# KiCad board DFTBoard.kicad_pcb (continued)
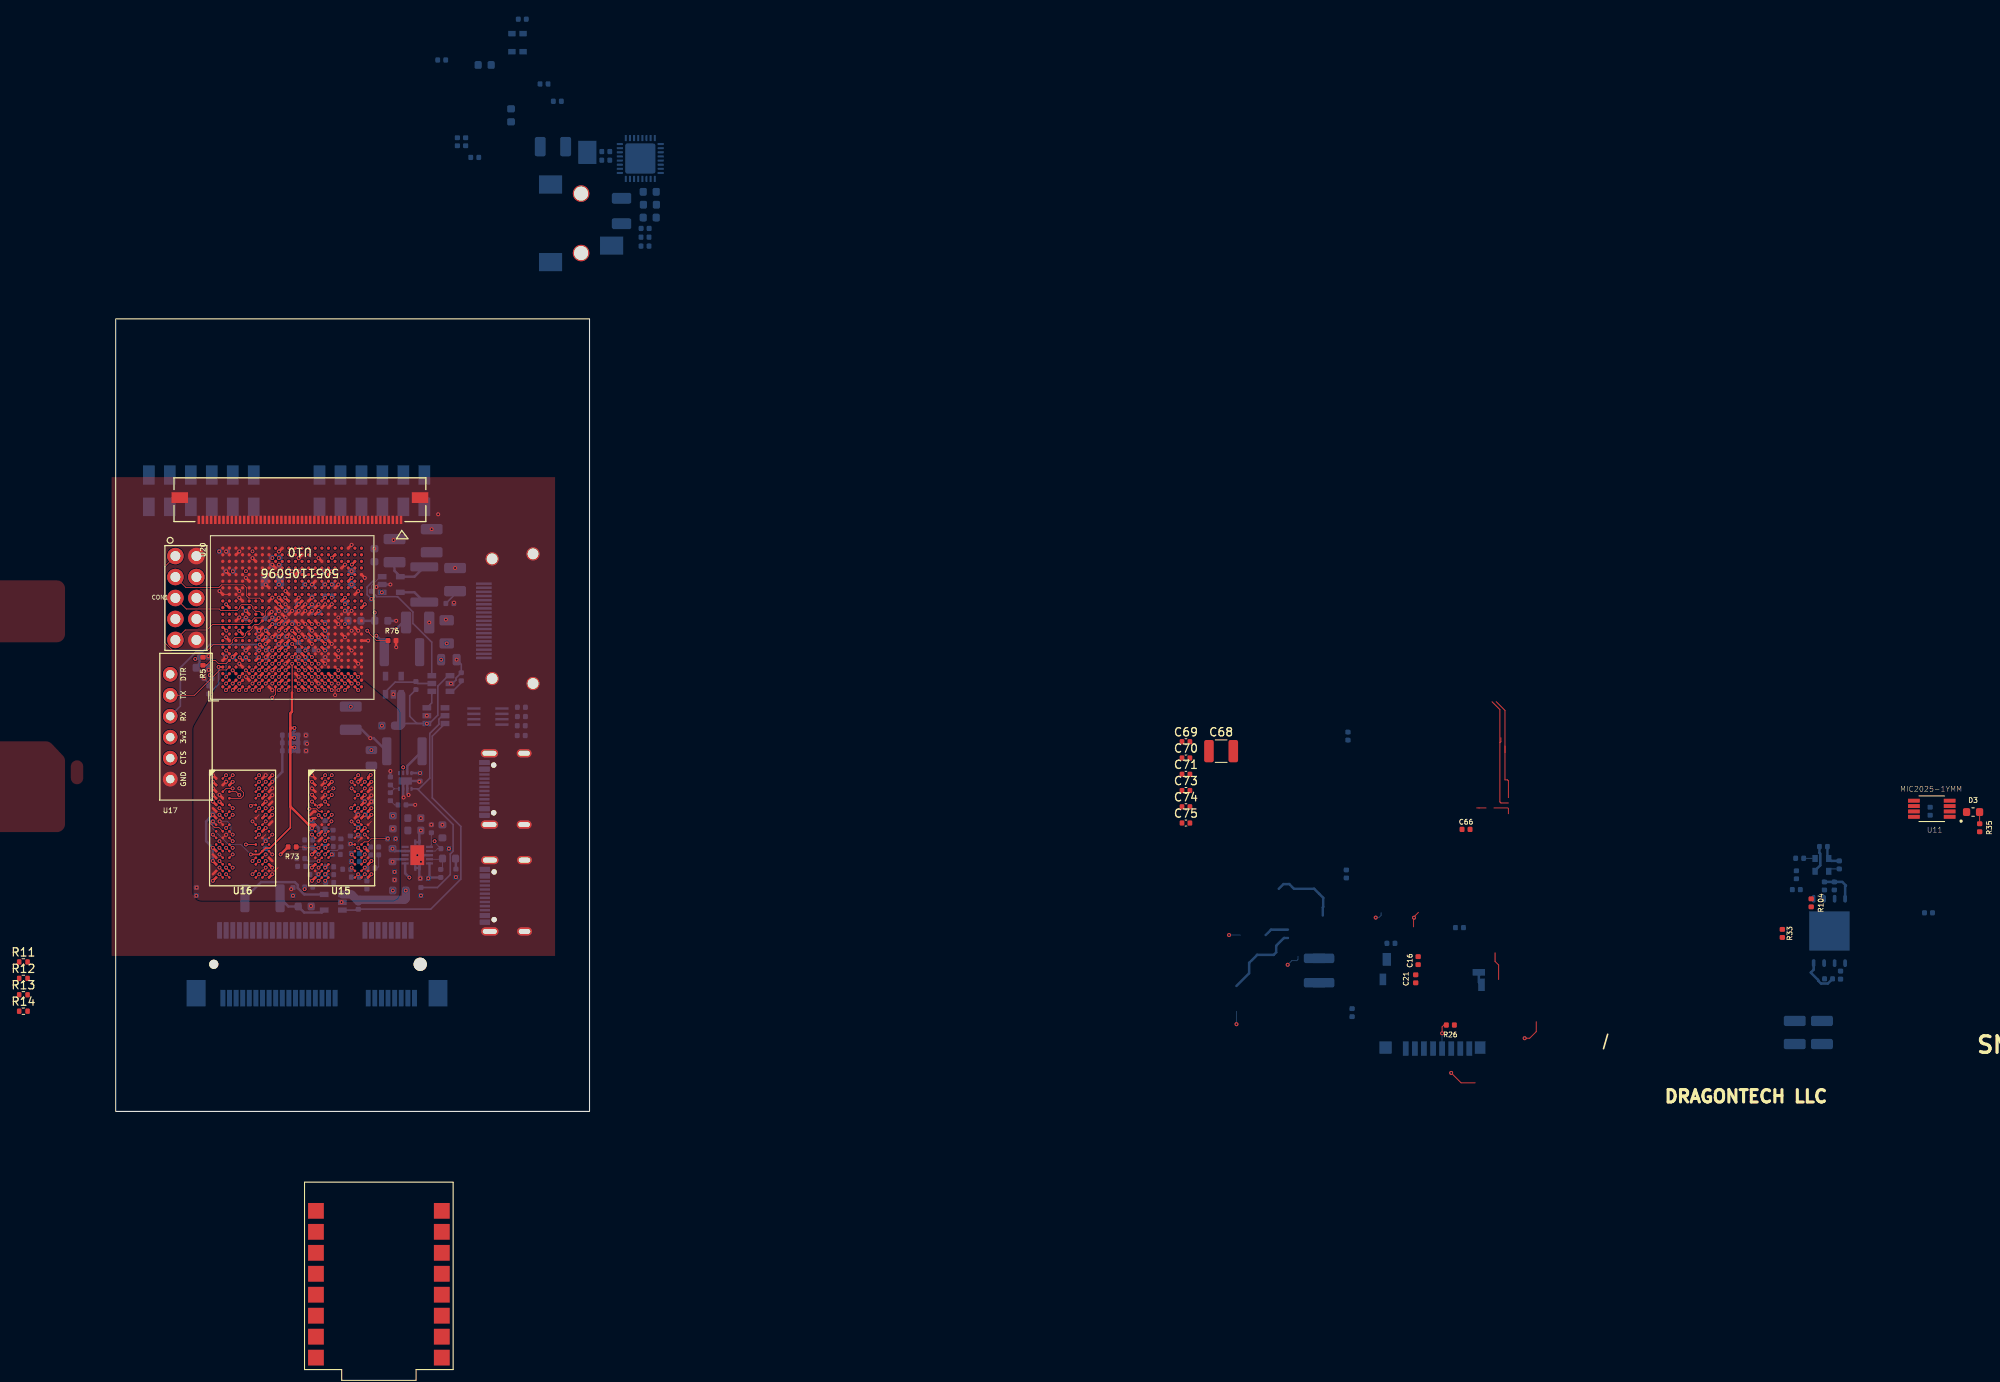
[diagram p0: board, top side]
## Routing (per net, layer and track width the routed paths; a pad name or vN(x,y) marks a point on that pad's centre or on a via; arc(x,y) is an arc through that point) (continued)
DDR3_CKE: length 39.2
  TOP w0.102: U16.K9 v1(18.97,33.53) ; U15.K9 v1(30.17,33.53)
  TOP w0.13: U20.V3 v1(26.97,52.63)
  Signal1 w0.102: v1(30.17,33.53) 29.77,33.13 28.97,33.13 28.17,33.93 22.77,33.93 22.37,33.53 21.87,33.53 21.82,33.53 21.78,33.55 21.74,33.57 21.71,33.6 21.69,33.64 21.67,33.68 21.66,33.77 21.65,33.81 21.62,33.85 21.59,33.88 21.55,33.91 21.51,33.92 21.47,33.93 21.47,33.93 21.42,33.92 21.38,33.91 21.34,33.88 21.31,33.85 21.29,33.81 21.27,33.77 21.27,33.73 21.27,33.53 21.27,33.53 21.27,33.33 21.26,33.28 21.25,33.24 21.22,33.2 21.19,33.17 21.15,33.15 21.11,33.13 21.07,33.13 21.07,33.13 21.02,33.13 20.98,33.15 20.94,33.17 20.91,33.2 20.89,33.24 20.87,33.28 20.86,33.37 20.85,33.41 20.82,33.45 20.79,33.48 20.75,33.51 20.71,33.52 20.67,33.53 v1(18.97,33.53)
  Signal3 w0.102: v1(18.97,33.53) 18.57,33.93 18.57,40.9 18.84,41.18 19.27,41.18 25.08,46.99 25.1,47.01 25.13,47.02 25.16,47.03 25.19,47.03 25.22,47.02 25.25,47.01 25.28,46.99 25.36,46.9 25.39,46.88 25.42,46.87 25.45,46.86 25.48,46.86 25.51,46.87 25.54,46.88 25.56,46.9 25.65,46.99 25.67,47.01 25.68,47.04 25.69,47.07 25.69,47.1 25.68,47.13 25.67,47.16 25.65,47.19 25.28,47.56 25.26,47.58 25.24,47.61 25.24,47.64 25.24,47.67 25.24,47.7 25.26,47.73 25.28,47.75 25.36,47.84 25.38,47.86 25.41,47.87 25.44,47.88 25.48,47.88 25.51,47.87 25.53,47.86 25.56,47.84 25.64,47.75 25.67,47.73 25.7,47.72 25.73,47.71 25.76,47.71 25.79,47.72 25.82,47.73 25.84,47.75 26.63,48.54 26.66,48.54 27.36,49.25 27.36,52.22 27.37,52.23 v1(26.97,52.63)
DDR3_CS#: length 48.3
  TOP w0.102: U16.L2 v1(12.57,32.73) ; R73.1 22.8,32.03 22.91,31.92 v1(24.56,31.92) 24.56,31.92 U15.L2
  TOP w0.13: U20.P6 v1(23.77,55.03)
  Signal2 w0.102: v1(12.57,32.73) U16.L2 14.87,32.33 15.27,31.93 18.39,31.93 18.79,32.33 19.67,32.33 19.92,32.08 20.91,32.08 20.94,32.08 20.96,32.09 20.99,32.11 21.01,32.13 21.03,32.15 21.03,32.18 21.04,32.24 21.05,32.26 21.07,32.29 21.09,32.31 21.11,32.32 21.14,32.33 21.17,32.34 21.31,32.34 21.34,32.33 21.36,32.32 21.39,32.31 21.41,32.29 21.43,32.26 21.43,32.24 21.44,32.18 21.45,32.15 21.47,32.13 21.49,32.11 21.51,32.09 21.54,32.08 21.57,32.08 22.99,32.08 23.16,31.92 v1(24.56,31.92)
  Signal3 w0.102: v1(12.57,32.73) 12.23,32.73 12.12,32.62 11.21,32.62 10.84,33 10.84,34.9 11.47,35.53 11.97,35.53 12.17,35.73 12.17,41.23 18.83,47.89 18.91,47.97 18.93,48 18.94,48.02 18.95,48.05 18.95,48.09 18.94,48.12 18.93,48.15 18.91,48.17 18.84,48.24 18.82,48.26 18.81,48.29 18.8,48.32 18.8,48.35 18.81,48.39 18.82,48.41 18.84,48.44 18.93,48.52 18.95,48.54 18.98,48.56 19.01,48.56 19.04,48.56 19.07,48.56 19.1,48.54 19.12,48.52 19.19,48.45 19.22,48.43 19.25,48.42 19.28,48.41 19.31,48.41 19.34,48.42 19.37,48.43 19.39,48.45 21.77,50.83 21.77,53.63 21.97,53.83 23.17,53.83 23.37,54.03 23.37,54.63 v1(23.77,55.03)
DDR3_DM0: length 30.9
  TOP w0.102: U16.E7 16.49,37.13 v1(16.37,37.01)
  TOP w0.13: v1(13.35,51.02) 13.36,51.02 U20.B1
  Signal2 w0.102: v1(16.37,37.01) 16.37,35.53 16.07,35.23 16.07,34.58 15.77,34.28 14.27,34.28 13.97,34.58 13.97,34.73 14.09,34.85 14.99,34.85 15.22,35.08 15.22,36.93 15.02,37.12 14.66,37.12 14.36,37.42 13.72,37.42 13.54,37.61 13.54,38.11 13.29,38.36 13.29,38.5 12.74,39.05 12.45,39.05 12.16,39.33 12.16,42.5 12.75,43.09 12.75,46.37 12.74,46.39 12.74,47.1 15.36,49.72 15.36,52.01 15.15,52.23 13.99,52.23 13.77,52.01 13.77,51.64 13.35,51.22 v1(13.35,51.02)
DDR3_DM1: length 20.6
  TOP w0.102: U16.D3 15.17,37.93 15.47,38.23 15.47,38.63 v1(14.97,39.13)
  TOP w0.13: U20.H3 v1(18.17,52.63)
  Signal2 w0.102: v1(14.97,39.13) 14.97,40.83 16.45,42.31 16.48,42.33 16.52,42.35 16.57,42.36 16.61,42.36 16.65,42.35 16.69,42.33 16.73,42.31 17.03,42 17.07,41.97 17.11,41.96 17.15,41.95 17.2,41.95 17.24,41.96 17.28,41.97 17.32,42 17.35,42.04 17.36,42.08 17.37,42.12 17.37,42.17 17.36,42.21 17.35,42.25 17.32,42.29 16.93,42.68 16.93,42.97 17.06,43.1 17.24,43.1 17.33,43.19 17.33,48.19 17.77,48.63 17.77,52.01 17.98,52.22 18.47,52.22 18.57,52.32 18.57,52.56 18.51,52.63 v1(18.17,52.63)
DDR3_DM2: length 21.6
  TOP w0.102: U15.E7 v1(28.52,36.73)
  TOP w0.13: U20.P1 v1(23.77,51.03)
  Signal1 w0.102: v1(23.77,51.03) 23.77,50.53 23.37,50.13 23.37,47.93 23.37,47.9 23.36,47.87 23.34,47.85 23.32,47.83 23.3,47.81 23.27,47.8 23.23,47.79 23.2,47.79 23.16,47.79 23.13,47.78 23.11,47.76 23.09,47.74 23.07,47.72 23.06,47.69 23.06,47.65 23.06,47.53 23.06,47.5 23.07,47.47 23.09,47.45 23.11,47.43 23.13,47.41 23.16,47.4 23.2,47.39 23.55,47.39 23.58,47.39 23.61,47.38 23.64,47.36 23.66,47.34 23.68,47.32 23.69,47.29 23.69,47.25 23.69,47.13 23.69,47.1 23.68,47.07 23.66,47.05 23.64,47.03 23.61,47.01 23.58,47 23.58,43 23.37,42.79 23.37,37.27 23.57,37.08 23.67,37.08 24.42,36.33 28.12,36.33 v1(28.52,36.73)
DDR3_DM3: length 21.9
  TOP w0.102: U15.D3 26.27,38.33
  TOP w0.13: U20.AA2 v1(29.37,51.83)
  Signal3 w0.102: v1(26.17,38.33) 28.07,40.23 28.07,44.33 28.07,44.35 28.08,44.37 28.09,44.39 28.11,44.41 28.12,44.42 28.15,44.42 28.17,44.43 28.75,44.43 28.77,44.43 28.79,44.44 28.81,44.45 28.83,44.47 28.84,44.48 28.85,44.51 28.85,44.53 28.85,44.73 28.85,44.75 28.84,44.77 28.83,44.79 28.81,44.81 28.79,44.82 28.77,44.82 28.75,44.83 27.39,44.83 27.36,44.83 27.34,44.84 27.32,44.85 27.31,44.87 27.3,44.88 27.29,44.91 27.29,44.93 27.29,45.13 27.29,45.15 27.3,45.17 27.31,45.19 27.32,45.21 27.34,45.22 27.36,45.22 27.39,45.23 28.75,45.23 28.77,45.23 28.79,45.24 28.81,45.25 28.83,45.27 28.84,45.28 28.85,45.31 28.85,45.33 28.85,45.53 28.85,45.55 28.84,45.57 28.83,45.59 28.81,45.61 28.79,45.62 28.77,45.62 28.75,45.63 27.39,45.63 27.36,45.63 27.34,45.64 27.32,45.65 27.31,45.67 27.3,45.68 27.29,45.71 27.29,45.73 27.29,45.93 27.29,45.95 27.3,45.97 27.31,45.99 27.32,46.01 27.34,46.02 27.36,46.02 27.39,46.03 27.97,46.03 27.99,46.03 28.01,46.04 28.03,46.05 28.05,46.07 28.06,46.08 28.06,46.11 28.07,46.13 28.07,50.53 v1(29.37,51.83)
DDR3_DQ0: length 30.5
  TOP w0.102: U16.E3 v1(14.17,36.73) ; U20.C3 v1(14.17,53.43)
  Signal2 w0.102: v1(14.17,36.73) 14.66,36.23 14.66,35.84 14.36,35.53 13.57,35.53 13.44,35.4 13.42,35.4 12.76,34.73 12.39,34.73 11.99,34.33 9.97,34.33 9.37,34.93 9.37,40.5 9.37,40.53 9.38,40.56 9.39,40.58 9.41,40.6 9.44,40.62 9.46,40.63 9.52,40.63 9.55,40.64 9.57,40.66 9.59,40.68 9.61,40.7 9.61,40.73 9.62,40.75 9.62,41.1 9.61,41.13 9.61,41.16 9.59,41.18 9.57,41.2 9.55,41.22 9.52,41.23 9.49,41.23 9.22,41.23 9.18,41.23 9.15,41.24 9.12,41.26 9.1,41.29 9.08,41.31 9.07,41.35 9.07,41.38 9.07,41.68 9.07,41.71 9.08,41.74 9.1,41.77 9.12,41.8 9.15,41.81 9.18,41.83 9.25,41.83 9.28,41.84 9.31,41.86 9.33,41.89 9.35,41.91 9.36,41.95 9.37,41.98 9.37,49.38 12.02,52.03 12.7,52.03 12.97,52.3 12.97,52.96 13.04,53.03 13.77,53.03 v1(14.17,53.43)
DDR3_DQ1: length 32
  TOP w0.102: U16.F7 v1(17.37,36.73)
  TOP w0.13: U20.F2 v1(16.57,51.83)
  Signal2 w0.102: v1(17.37,36.73) 17.52,36.58 17.69,36.58 17.74,36.63 17.74,36.98 17.53,37.19 17.36,37.19 16.57,37.98 15.92,37.98 15.57,37.63 14.73,37.63 14.12,38.25 14.09,38.25 14.09,38.63 13.75,38.96 13.75,38.96 13.75,39.34 13.57,39.53 13.2,39.53 12.68,40.04 12.68,41.29 13.43,42.04 13.45,42.06 13.48,42.07 13.5,42.07 13.53,42.07 13.56,42.07 13.58,42.06 13.63,42.02 13.65,42.01 13.68,42 13.7,42 13.73,42.01 13.76,42.02 13.78,42.04 13.89,42.15 13.9,42.17 13.92,42.19 13.92,42.22 13.92,42.25 13.92,42.27 13.9,42.3 13.89,42.32 13.65,42.56 13.63,42.58 13.62,42.61 13.61,42.64 13.61,42.67 13.62,42.7 13.63,42.73 13.65,42.75 13.74,42.84 13.76,42.86 13.79,42.87 13.82,42.88 13.85,42.88 13.88,42.87 13.91,42.86 13.94,42.84 14.17,42.6 14.19,42.59 14.22,42.58 14.24,42.57 14.27,42.57 14.3,42.58 14.32,42.59 14.34,42.6 14.45,42.71 14.47,42.73 14.48,42.76 14.49,42.79 14.49,42.81 14.48,42.84 14.47,42.87 14.45,42.89 13.79,43.55 13.77,43.57 13.76,43.6 13.75,43.63 13.75,43.66 13.76,43.69 13.77,43.72 13.79,43.74 13.88,43.83 13.9,43.85 13.93,43.86 13.96,43.87 13.99,43.87 14.02,43.86 14.05,43.85 14.08,43.83 14.55,43.36 14.57,43.34 14.6,43.32 14.63,43.32 14.66,43.32 14.69,43.32 14.72,43.34 14.75,43.36 14.75,44.21 14.74,44.24 14.73,44.27 14.71,44.3 14.69,44.32 14.66,44.34 14.63,44.35 14.6,44.36 14.45,44.36 14.42,44.36 14.39,44.37 14.36,44.39 14.34,44.41 14.32,44.44 14.31,44.47 14.3,44.51 14.31,44.54 14.32,44.57 14.34,44.6 14.36,44.62 14.39,44.64 14.42,44.65 14.45,44.66 14.6,44.66 14.63,44.66 14.66,44.67 14.69,44.69 14.71,44.71 14.73,44.74 14.74,44.77 14.75,44.81 14.75,48.11 16.16,49.52 16.16,51.53 15.37,52.33 15.37,52.33 15.37,52.82 15.59,53.03 15.95,53.03 16.16,53.24 16.16,53.61 16.37,53.82 16.74,53.82 16.97,53.59 16.97,53.33 16.95,53.31 16.95,53.23 16.74,53.03 16.39,53.03 16.17,52.82 16.17,52.44 16.38,52.23 16.5,52.23 16.57,52.17 v1(16.57,51.83)
DDR3_DQ2: length 30.4
  TOP w0.102: U20.B2 v1(13.37,51.83) ; U16.F2 v1(12.57,36.73)
  Signal2 w0.102: v1(13.37,51.83) 12.99,51.45 12.98,51.44 12.96,51.43 12.94,51.43 12.93,51.43 12.91,51.43 12.89,51.44 12.86,51.46 12.85,51.47 12.83,51.48 12.81,51.48 12.79,51.47 12.78,51.46 12.76,51.45 12.59,51.28 12.58,51.27 12.58,51.25 12.57,51.24 12.57,51.22 12.58,51.2 12.58,51.18 12.59,51.17 12.65,51.11 12.64,51.1 13.22,50.52 13.24,50.49 13.25,50.46 13.26,50.43 13.26,50.4 13.25,50.37 13.24,50.34 13.22,50.32 13.14,50.23 13.11,50.22 13.08,50.2 13.05,50.19 13.02,50.19 12.99,50.2 12.96,50.22 12.94,50.23 12.3,50.87 12.28,50.88 12.27,50.89 12.25,50.9 12.23,50.9 12.21,50.89 12.2,50.88 12.18,50.87 12.02,50.71 12,50.69 12,50.67 11.99,50.66 11.99,50.64 12,50.62 12,50.6 12.03,50.58 12.04,50.56 12.04,50.54 12.04,50.52 12.04,50.51 12.03,50.49 12.02,50.48 11.64,50.1 11.64,50.05 10.4,48.81 10.4,41.54 10.4,41.51 10.39,41.48 10.37,41.45 10.35,41.43 10.33,41.41 10.3,41.4 10.26,41.4 10.24,41.4 10.21,41.4 10.18,41.39 10.16,41.37 10.14,41.35 10.12,41.32 10.11,41.29 10.1,41.26 10.1,41.14 10.11,41.11 10.12,41.08 10.14,41.05 10.16,41.03 10.18,41.01 10.21,41 10.24,41 10.45,41 10.47,41 10.48,41 10.49,40.99 10.49,40.98 10.5,40.97 10.5,40.96 10.5,40.95 10.5,40.65 10.5,40.64 10.5,40.63 10.49,40.62 10.49,40.61 10.48,40.61 10.47,40.6 10.45,40.6 10.24,40.6 10.21,40.6 10.18,40.59 10.16,40.57 10.14,40.55 10.12,40.52 10.11,40.49 10.1,40.46 10.1,40.34 10.11,40.31 10.12,40.28 10.14,40.25 10.16,40.23 10.18,40.21 10.21,40.2 10.24,40.2 10.45,40.2 10.47,40.2 10.48,40.2 10.49,40.19 10.49,40.18 10.5,40.17 10.5,40.16 10.5,40.15 10.5,39.85 10.5,39.84 10.5,39.83 10.49,39.82 10.49,39.81 10.48,39.81 10.47,39.8 10.45,39.8 10.24,39.8 10.21,39.8 10.18,39.79 10.16,39.77 10.14,39.75 10.12,39.72 10.11,39.69 10.1,39.66 10.1,39.54 10.11,39.51 10.12,39.48 10.14,39.45 10.16,39.43 10.18,39.41 10.21,39.4 10.24,39.4 10.45,39.4 10.47,39.4 10.48,39.4 10.49,39.39 10.49,39.38 10.5,39.37 10.5,39.36 10.5,39.35 10.5,39.05 10.5,39.04 10.5,39.03 10.49,39.02 10.49,39.01 10.48,39.01 10.47,39 10.45,39 10.24,39 10.21,39 10.18,38.99 10.16,38.97 10.14,38.95 10.12,38.92 10.11,38.89 10.1,38.86 10.1,38.74 10.11,38.71 10.12,38.68 10.14,38.65 10.16,38.63 10.18,38.61 10.21,38.6 10.24,38.6 10.45,38.6 10.47,38.6 10.48,38.6 10.49,38.59 10.49,38.58 10.5,38.57 10.5,38.56 10.5,38.55 10.5,38.25 10.5,38.24 10.5,38.23 10.49,38.22 10.49,38.21 10.48,38.21 10.47,38.2 10.45,38.2 10.24,38.2 10.21,38.2 10.18,38.19 10.16,38.17 10.14,38.15 10.12,38.12 10.11,38.09 10.1,38.06 10.1,37.94 10.11,37.91 10.12,37.88 10.14,37.85 10.16,37.83 10.18,37.81 10.21,37.8 10.24,37.8 10.45,37.8 10.47,37.8 10.48,37.8 10.49,37.79 10.49,37.78 10.5,37.77 10.5,37.76 10.5,37.75 10.5,37.45 10.5,37.44 10.5,37.43 10.49,37.42 10.49,37.41 10.48,37.41 10.47,37.4 10.45,37.4 10.24,37.4 10.21,37.4 10.18,37.39 10.16,37.37 10.14,37.35 10.12,37.32 10.11,37.29 10.1,37.26 10.1,37.14 10.11,37.11 10.12,37.08 10.14,37.05 10.16,37.03 10.18,37.01 10.21,37 10.24,37 10.56,37 10.6,37 10.63,36.99 10.65,36.97 10.67,36.95 10.69,36.92 10.7,36.89 10.7,36.86 10.7,36.74 10.7,36.71 10.69,36.68 10.67,36.65 10.65,36.63 10.63,36.61 10.6,36.6 10.56,36.6 10.54,36.6 10.51,36.6 10.48,36.59 10.46,36.57 10.44,36.55 10.42,36.52 10.41,36.49 10.4,36.46 10.4,35.29 10.64,35.05 10.79,35.05 10.97,35.23 10.97,36.68 11.14,36.85 11.22,36.85 11.27,36.8 11.27,36.58 11.52,36.33 12.87,36.33 12.97,36.43 12.97,36.64 12.88,36.73 v1(12.57,36.73)
DDR3_DQ3: length 32.1
  TOP w0.102: U16.F8 v1(18.17,36.73)
  TOP w0.13: U20.F1 v1(16.57,51.03)
  Signal2 w0.102: v1(16.57,51.03) 16.57,49.33 15.24,48 15.24,43.15 13.39,41.3 13.14,41.3 12.97,41.13 12.97,40.54 13.19,40.33 14.42,40.33 14.57,40.18 14.57,38.78 14.52,38.73 14.52,38.13 14.72,37.93 15.26,37.93 15.76,38.43 16.67,38.43 17.15,37.94 17.15,37.93 17.93,37.16 18.01,37.16 18.05,37.12 19.58,37.12 19.59,37.13 21.42,37.13 21.62,36.93 21.62,35.78 20.37,34.53 18.77,34.53 18.57,34.73 18.57,36.33 v1(18.17,36.73)
DDR3_DQ4: length 30.1
  TOP w0.102: U16.H3 v1(13.37,34.33)
  TOP w0.13: U20.E3 v1(15.77,53.43)
  Signal2 w0.102: v1(15.77,53.43) 15.37,53.83 15.36,53.82 13.18,53.82 12.96,53.6 12.96,53.24 12.74,53.02 12.16,53.02 10.67,51.53 10.62,51.53 8.82,49.73 8.82,34.93 9.82,33.93 12.97,33.93 v1(13.37,34.33)
DDR3_DQ5: length 31.1
  TOP w0.102: U16.H8 v1(18.17,35.13)
  TOP w0.13: U20.E1 v1(15.77,51.03)
  Signal2 w0.102: v1(18.17,35.13) 17.77,35.53 17.77,36.13 17.57,36.33 17.17,36.33 16.97,36.53 16.97,36.98 16.52,37.43 16.17,37.43 15.97,37.23 15.97,35.63 15.87,35.53 15.62,35.53 15.57,35.58 15.57,37.18 15.32,37.43 14.64,37.43 14.33,37.74 14,37.74 13.88,37.86 13.88,38.19 13.41,38.67 13.41,39.09 13.33,39.17 12.91,39.17 12.43,39.64 12.43,41.89 13.54,43 13.54,44.97 13.55,45 13.56,45.03 13.57,45.06 13.6,45.08 13.62,45.1 13.65,45.11 13.68,45.11 14.32,45.11 14.35,45.12 14.38,45.13 14.41,45.14 14.43,45.17 14.45,45.19 14.46,45.22 14.46,45.25 14.46,45.37 14.46,45.4 14.45,45.43 14.43,45.46 14.41,45.48 14.38,45.5 14.35,45.51 14.32,45.51 13.21,45.51 13.18,45.52 13.15,45.53 13.13,45.54 13.1,45.57 13.09,45.59 13.08,45.62 13.07,45.65 13.07,45.77 13.08,45.8 13.09,45.83 13.1,45.86 13.13,45.88 13.15,45.9 13.18,45.91 13.21,45.91 14.32,45.91 14.35,45.92 14.38,45.93 14.41,45.94 14.43,45.97 14.45,45.99 14.46,46.02 14.46,46.05 14.46,46.17 14.46,46.2 14.45,46.23 14.43,46.26 14.41,46.28 14.38,46.3 14.35,46.31 14.32,46.31 13.21,46.31 13.18,46.32 13.15,46.33 13.13,46.34 13.1,46.37 13.09,46.39 13.08,46.42 13.07,46.45 13.07,46.57 13.08,46.6 13.09,46.63 13.1,46.66 13.13,46.68 13.15,46.7 13.18,46.71 13.21,46.71 13.7,46.71 14.02,47.03 14.02,47.83 14.94,48.75 14.95,48.75 15.77,49.57 v1(15.77,51.03)
DDR3_DQ6: length 32
  TOP w0.102: U16.G2 v1(12.57,35.93)
  TOP w0.13: U20.D3 v1(14.97,52.63)
  Signal2 w0.102: v1(14.97,52.63) 14.97,52.73 15.37,53.13 15.37,53.33 15.12,53.58 14.72,53.58 14.57,53.43 14.57,52.68 14.32,52.43 13.9,52.43 13.69,52.22 13.18,52.22 12,51.04 11.95,51.04 9.83,48.92 9.83,46.22 9.87,46.18 9.87,46.08 9.86,46.06 9.86,46.03 9.85,46.02 9.83,46 9.81,45.99 9.79,45.98 9.77,45.98 9.73,45.98 9.71,45.97 9.68,45.97 9.67,45.96 9.65,45.94 9.64,45.92 9.63,45.9 9.63,45.88 9.63,45.68 9.63,45.66 9.64,45.63 9.65,45.62 9.67,45.6 9.68,45.59 9.71,45.58 9.73,45.58 10.06,45.58 10.08,45.57 10.1,45.57 10.12,45.56 10.14,45.54 10.15,45.52 10.16,45.5 10.16,45.48 10.16,45.28 10.16,45.26 10.15,45.23 10.14,45.22 10.12,45.2 10.1,45.19 10.08,45.18 10.06,45.18 9.73,45.18 9.71,45.17 9.68,45.17 9.67,45.16 9.65,45.14 9.64,45.12 9.63,45.1 9.63,45.08 9.63,44.88 9.63,44.86 9.64,44.83 9.65,44.82 9.67,44.8 9.68,44.79 9.71,44.78 9.73,44.78 10.06,44.78 10.08,44.77 10.1,44.77 10.12,44.76 10.14,44.74 10.15,44.72 10.16,44.7 10.16,44.68 10.16,44.48 10.16,44.46 10.15,44.43 10.14,44.42 10.12,44.4 10.1,44.39 10.08,44.38 10.06,44.38 9.73,44.38 9.71,44.37 9.68,44.37 9.67,44.36 9.65,44.34 9.64,44.32 9.63,44.3 9.63,44.28 9.63,44.08 9.63,44.06 9.64,44.03 9.65,44.02 9.67,44 9.68,43.99 9.71,43.98 9.73,43.98 10.06,43.98 10.08,43.97 10.1,43.97 10.12,43.96 10.14,43.94 10.15,43.92 10.16,43.9 10.16,43.88 10.16,43.68 10.16,43.66 10.15,43.63 10.14,43.62 10.12,43.6 10.1,43.59 10.08,43.58 10.06,43.58 9.73,43.58 9.71,43.57 9.68,43.57 9.67,43.56 9.65,43.54 9.64,43.52 9.63,43.5 9.63,43.48 9.63,43.28 9.63,43.26 9.64,43.23 9.65,43.22 9.67,43.2 9.68,43.19 9.71,43.18 9.73,43.18 10.06,43.18 10.08,43.17 10.1,43.17 10.12,43.16 10.14,43.14 10.15,43.12 10.16,43.1 10.16,43.08 10.16,42.88 10.16,42.86 10.15,42.83 10.14,42.82 10.12,42.8 10.1,42.79 10.08,42.78 10.06,42.78 9.73,42.78 9.71,42.77 9.68,42.77 9.67,42.76 9.65,42.74 9.64,42.72 9.63,42.7 9.63,42.68 9.63,42.48 9.63,42.46 9.64,42.43 9.65,42.42 9.67,42.4 9.68,42.39 9.71,42.38 9.73,42.38 10.06,42.38 10.08,42.37 10.1,42.37 10.12,42.36 10.14,42.34 10.15,42.32 10.16,42.3 10.16,42.28 10.16,42.08 10.16,42.06 10.15,42.03 10.14,42.02 10.12,42 10.1,41.99 10.08,41.98 10.06,41.98 9.97,41.98 9.95,41.97 9.92,41.97 9.91,41.96 9.89,41.94 9.88,41.92 9.87,41.9 9.87,41.88 9.87,34.83 9.97,34.73 11.32,34.73 11.37,34.78 11.37,35.31 11.59,35.53 12.17,35.53 v1(12.57,35.93)
DDR3_DQ7: length 30.9
  TOP w0.102: U16.H7 v1(16.57,35.13)
  TOP w0.13: v1(14.97,51.03) 14.97,51.03 U20.D1
  Signal2 w0.102: v1(16.57,35.13) 16.57,35.38 16.67,35.48 16.67,36.13 16.72,36.18 16.87,36.18 16.97,36.08 16.97,35.73 17.22,35.48 17.37,35.48 17.57,35.28 17.57,34.93 17.42,34.78 17.17,34.78 16.97,34.58 16.97,34.23 16.67,33.93 14.02,33.93 13.77,34.18 13.77,34.51 13.45,34.83 13.45,35.02 13.61,35.18 14.67,35.18 14.87,35.38 14.87,36.63 14.32,37.18 13.52,37.18 13.26,37.43 13.26,37.97 12.99,38.25 12.99,38.5 12.76,38.73 11.56,38.73 11.33,38.97 11.33,40.86 11.93,41.47 11.93,43.44 11.97,43.48 11.97,47.08 14.96,50.07 14.97,50.07 v1(14.97,51.03)
DDR3_DQ8: length 19.9
  TOP w0.102: U16.D7 v1(17.37,38.33)
  TOP w0.13: U20.L3 v1(20.57,52.63)
  Signal2 w0.102: v1(17.37,38.33) 17.77,37.93 18.77,37.93 18.78,37.92 20.78,37.92 21.28,38.42 21.28,51.92 v1(20.57,52.63)
DDR3_DQ9: length 18.9
  TOP w0.102: U16.C3 14.57,38.73 v1(14.97,38.33)
  TOP w0.13: U20.L1 v1(20.57,51.03)
  Signal2 w0.102: v1(14.97,38.33) 15.36,38.72 17.54,38.72 17.76,38.94 17.76,39.32 17.96,39.52 19.14,39.52 20.3,40.68 20.3,50.19 20.57,50.45 v1(20.57,51.03)
DDR3_DQ10: length 19.4
  TOP w0.102: U16.C8 v1(18.17,39.13)
  TOP w0.13: U20.L2 v1(20.57,51.83)
  Signal2 w0.102: v1(18.17,39.13) 18.56,38.73 19.42,38.73 19.93,38.23 20.42,38.23 20.78,38.59 20.78,39.04 20.77,39.08 20.76,39.13 20.74,39.16 20.7,39.2 20.67,39.22 20.62,39.23 20.58,39.24 20,39.24 19.95,39.25 19.91,39.26 19.87,39.28 19.84,39.32 19.82,39.35 19.8,39.4 19.8,39.44 19.8,39.48 19.82,39.53 19.84,39.56 19.87,39.6 19.91,39.62 19.95,39.63 20,39.64 20.58,39.64 20.62,39.65 20.67,39.66 20.7,39.68 20.74,39.72 20.76,39.75 20.77,39.8 20.78,39.84 20.78,49.94 20.97,50.13 20.97,51.43 v1(20.57,51.83)
DDR3_DQ11: length 23.2
  TOP w0.102: U16.C2 13.37,39.13 v1(14.17,39.13) ; U20.J1 19.37,50.53 v1(18.97,50.13)
  Signal1 w0.102: v1(18.97,50.13) 18.97,49.23 18.87,49.13 18.84,49.1 18.8,49.08 18.76,49.07 18.72,49.07 18.68,49.08 18.64,49.1 18.58,49.15 18.54,49.17 18.5,49.18 18.46,49.18 18.42,49.17 18.38,49.15 18.35,49.13 18.32,49.1 18.3,49.07 18.28,49.04 18.27,49 18.27,48.95 18.28,48.91 18.3,48.88 18.32,48.84 18.45,48.71 18.44,48.7 18.52,48.63 18.54,48.61 18.55,48.59 18.55,48.56 18.55,48.54 18.55,48.51 18.54,48.49 18.52,48.47 18.39,48.34 18.37,48.33 18.35,48.32 18.33,48.31 18.3,48.31 18.28,48.32 18.26,48.33 18.24,48.34 18.03,48.55 18,48.58 17.96,48.59 17.92,48.6 17.88,48.6 17.84,48.59 17.8,48.58 17.77,48.55 17.75,48.53 17.72,48.5 17.7,48.46 17.69,48.42 17.69,48.38 17.7,48.34 17.72,48.3 17.75,48.27 17.95,48.06 17.97,48.04 17.98,48.02 17.99,48 17.99,47.97 17.98,47.95 17.97,47.93 17.95,47.91 17.83,47.78 17.81,47.76 17.78,47.75 17.76,47.75 17.74,47.75 17.71,47.75 17.69,47.76 17.67,47.78 17.46,47.98 17.43,48.01 17.4,48.03 17.36,48.04 17.31,48.04 17.27,48.03 17.24,48.01 17.2,47.98 17.18,47.96 17.16,47.93 17.14,47.89 17.13,47.85 17.13,47.81 17.14,47.77 17.16,47.73 17.18,47.7 17.39,47.49 17.4,47.48 17.41,47.45 17.42,47.43 17.42,47.41 17.41,47.38 17.4,47.36 17.39,47.34 17.26,47.21 17.24,47.2 17.22,47.19 17.2,47.18 17.17,47.18 17.15,47.19 17.12,47.2 17.11,47.21 16.9,47.42 16.87,47.44 16.83,47.46 16.79,47.47 16.75,47.47 16.71,47.46 16.67,47.44 16.64,47.42 16.62,47.4 16.59,47.36 16.57,47.33 16.56,47.29 16.56,47.25 16.57,47.21 16.59,47.17 16.64,47.1 16.66,47.07 16.67,47.03 16.67,46.99 16.66,46.95 16.64,46.91 16.62,46.88 14.79,45.05 14.79,42 14.62,41.83 13.92,41.83 13.77,41.68 13.77,39.75 13.37,39.35 13.37,37.88 13.62,37.63 13.82,37.63 14.17,37.98 v1(14.17,39.13)
DDR3_DQ12: length 20.7
  TOP w0.102: U16.A7 v1(17.37,40.73)
  TOP w0.13: U20.K1 v1(19.77,51.03)
  Signal2 w0.102: v1(17.37,40.73) 17.12,40.73 16.82,40.43 16.52,40.43 16.47,40.38 16.47,40.13 16.62,39.98 16.84,39.98 17.18,40.32 17.56,40.32 17.77,40.53 17.77,41.13 19.19,42.55 19.19,46.5 19.19,46.55 19.17,46.59 19.15,46.63 19.12,46.66 19.08,46.68 19.04,46.7 18.99,46.7 18.67,46.7 18.62,46.71 18.58,46.72 18.54,46.75 18.51,46.78 18.49,46.82 18.47,46.86 18.47,46.9 18.47,46.95 18.49,46.99 18.51,47.03 18.54,47.06 18.58,47.08 18.62,47.1 18.67,47.1 19.38,47.1 19.42,47.11 19.46,47.12 19.5,47.14 19.53,47.17 19.55,47.21 19.56,47.25 19.57,47.29 19.57,47.32 19.56,47.36 19.55,47.4 19.53,47.43 19.5,47.46 19.46,47.48 19.42,47.5 19.38,47.5 18.67,47.5 18.62,47.51 18.58,47.52 18.54,47.55 18.51,47.58 18.49,47.62 18.47,47.66 18.47,47.7 18.47,47.75 18.49,47.79 18.51,47.83 18.54,47.86 18.58,47.88 18.62,47.9 18.67,47.9 19.38,47.9 19.42,47.91 19.46,47.92 19.5,47.94 19.53,47.97 19.55,48.01 19.56,48.05 19.57,48.09 19.57,48.12 19.56,48.16 19.55,48.2 19.53,48.23 19.5,48.26 19.46,48.28 19.42,48.3 19.38,48.3 19.01,48.3 18.96,48.31 18.92,48.32 18.89,48.34 18.86,48.37 18.84,48.41 18.82,48.45 18.82,48.49 18.82,48.52 18.82,48.56 18.84,48.6 18.86,48.63 18.89,48.66 18.92,48.68 18.96,48.7 19.01,48.7 19.38,48.7 19.42,48.71 19.46,48.72 19.5,48.74 19.53,48.77 19.55,48.81 19.56,48.85 19.57,48.89 19.57,48.92 19.56,48.96 19.55,49 19.53,49.03 19.5,49.06 19.46,49.08 19.42,49.1 19.38,49.1 19.19,49.1 19.19,49.12 19.01,49.12 18.96,49.12 18.92,49.13 18.89,49.16 18.86,49.19 18.84,49.22 18.82,49.26 18.82,49.3 18.82,49.33 18.82,49.37 18.84,49.41 18.86,49.44 18.89,49.47 18.92,49.5 18.96,49.51 19.05,49.52 19.09,49.53 19.12,49.56 19.15,49.59 19.17,49.62 19.19,49.66 19.19,49.7 19.53,50.04 19.53,50.42 19.77,50.66 v1(19.77,51.03)
DDR3_DQ13: length 20.5
  TOP w0.102: U16.A2 v1(13.37,40.73)
  TOP w0.13: U20.G2 v1(17.37,51.83)
  Signal2 w0.102: v1(17.37,51.83) 17.37,52.05 17.77,52.45 17.77,52.82 17.99,53.03 18.36,53.03 18.56,53.24 18.56,53.62 18.36,53.82 17.97,53.82 17.77,53.62 17.77,53.24 17.56,53.03 17.19,53.03 16.97,52.81 16.97,49.08 15.87,47.98 15.87,47.78 15.86,47.75 15.85,47.72 15.84,47.69 15.81,47.67 15.79,47.65 15.76,47.64 15.73,47.64 15.68,47.64 15.65,47.63 15.62,47.62 15.6,47.61 15.58,47.58 15.56,47.56 15.55,47.53 15.54,47.5 15.54,47.38 15.55,47.35 15.56,47.32 15.58,47.29 15.6,47.27 15.62,47.25 15.65,47.24 15.68,47.24 15.73,47.24 15.76,47.23 15.79,47.22 15.81,47.21 15.84,47.18 15.85,47.16 15.86,47.13 15.87,47.1 15.87,46.98 15.86,46.95 15.85,46.92 15.84,46.89 15.81,46.87 15.79,46.85 15.76,46.84 15.73,46.84 15.68,46.84 15.65,46.83 15.62,46.82 15.6,46.81 15.58,46.78 15.56,46.76 15.55,46.73 15.54,46.7 15.54,46.58 15.55,46.55 15.56,46.52 15.58,46.49 15.6,46.47 15.62,46.45 15.65,46.44 15.68,46.44 15.73,46.44 15.76,46.43 15.79,46.42 15.81,46.41 15.84,46.38 15.85,46.36 15.86,46.33 15.87,46.3 15.87,43.23 13.77,41.13 13.77,40.78 13.72,40.73 v1(13.37,40.73)
DDR3_DQ14: length 19.5
  TOP w0.102: U16.B8 v1(18.17,39.93)
  TOP w0.13: U20.K3 v1(19.77,52.63)
  Signal2 w0.102: v1(19.77,52.63) 20.16,52.23 20.16,50.62 19.82,50.28 19.82,47.08 19.81,47.04 19.8,47 19.78,46.96 19.75,46.94 19.71,46.91 19.68,46.9 19.59,46.89 19.56,46.88 19.52,46.86 19.49,46.83 19.47,46.79 19.46,46.75 19.45,46.71 19.45,46.68 19.46,46.64 19.47,46.6 19.49,46.56 19.52,46.54 19.56,46.51 19.59,46.5 19.64,46.5 19.82,46.5 19.82,46.48 19.92,46.48 19.95,46.47 19.97,46.47 19.99,46.45 20.01,46.44 20.02,46.42 20.03,46.39 20.03,46.37 20.03,46.18 20.03,46.16 20.02,46.14 20.01,46.12 19.99,46.1 19.97,46.09 19.95,46.08 19.92,46.08 19.64,46.08 19.59,46.07 19.56,46.06 19.52,46.04 19.49,46.01 19.47,45.97 19.46,45.94 19.45,45.9 19.45,45.86 19.46,45.82 19.47,45.78 19.49,45.75 19.52,45.72 19.56,45.7 19.59,45.68 19.64,45.68 19.92,45.68 19.95,45.67 19.97,45.67 19.99,45.65 20.01,45.64 20.02,45.62 20.03,45.59 20.03,45.57 20.03,45.38 20.03,45.36 20.02,45.34 20.01,45.32 19.99,45.3 19.97,45.29 19.95,45.28 19.9,45.27 19.88,45.27 19.86,45.25 19.84,45.24 19.83,45.22 19.82,45.19 19.82,45.17 19.82,40.78 19.67,40.63 19.47,40.63 19.36,40.73 19.36,40.97 19.37,40.98 19.37,41.88 19.27,41.98 19.02,41.98 18.56,41.52 18.56,40.67 18.56,40.67 18.56,40.49 18.17,40.09 v1(18.17,39.93)
DDR3_DQ15: length 22.8
  TOP w0.13: U20.G1 v1(17.37,51.03) ; U16.A3 v1(14.17,40.73)
  Signal2 w0.102: v1(14.17,40.73) 14.46,41.02 14.48,41.05 14.5,41.08 14.51,41.12 14.51,41.16 14.5,41.2 14.48,41.23 14.44,41.29 14.42,41.32 14.41,41.36 14.41,41.4 14.42,41.43 14.44,41.47 14.46,41.5 14.5,41.54 14.53,41.57 14.57,41.58 14.6,41.59 14.64,41.59 14.68,41.58 14.71,41.57 14.74,41.54 14.95,41.34 14.97,41.32 14.99,41.31 15.02,41.3 15.04,41.3 15.07,41.31 15.09,41.32 15.11,41.34 15.23,41.45 15.25,41.47 15.26,41.5 15.26,41.52 15.26,41.55 15.26,41.58 15.25,41.6 15.23,41.62 15.03,41.82 15,41.85 14.99,41.89 14.98,41.93 14.98,41.96 14.99,42 15,42.03 15.03,42.06 15.07,42.11 15.1,42.13 15.13,42.15 15.17,42.16 15.21,42.16 15.24,42.15 15.28,42.13 15.31,42.11 15.51,41.9 15.53,41.89 15.56,41.88 15.58,41.87 15.61,41.87 15.64,41.88 15.66,41.89 15.68,41.9 15.8,42.02 15.81,42.04 15.82,42.06 15.83,42.09 15.83,42.12 15.82,42.14 15.81,42.17 15.8,42.19 15.71,42.27 15.72,42.28 15.6,42.39 15.57,42.42 15.56,42.46 15.55,42.5 15.55,42.53 15.56,42.57 15.57,42.6 15.6,42.63 15.64,42.68 15.67,42.7 15.7,42.72 15.74,42.73 15.78,42.73 15.81,42.72 15.85,42.7 15.91,42.65 15.94,42.64 15.98,42.63 16.02,42.63 16.05,42.64 16.09,42.65 16.12,42.68 16.66,43.22 16.66,43.48 16.66,43.53 16.68,43.57 16.7,43.61 16.73,43.64 16.77,43.66 16.81,43.68 16.86,43.68 16.9,43.68 16.94,43.69 16.98,43.7 17.02,43.73 17.05,43.76 17.08,43.8 17.09,43.84 17.1,43.88 17.09,43.93 17.08,43.97 17.05,44.01 17.02,44.04 16.98,44.06 16.94,44.08 16.9,44.08 16.32,44.08 16.28,44.09 16.23,44.1 16.19,44.13 16.16,44.16 16.14,44.2 16.12,44.24 16.12,44.28 16.12,44.33 16.14,44.37 16.16,44.41 16.19,44.44 16.23,44.46 16.28,44.48 16.32,44.48 16.9,44.48 16.94,44.49 16.98,44.5 17.02,44.53 17.05,44.56 17.08,44.6 17.09,44.64 17.1,44.68 17.09,44.73 17.08,44.77 17.05,44.81 17.02,44.84 16.98,44.86 16.94,44.88 16.9,44.88 16.32,44.88 16.28,44.89 16.23,44.9 16.19,44.93 16.16,44.96 16.14,45 16.12,45.04 16.12,45.08 16.12,45.13 16.14,45.17 16.16,45.21 16.19,45.24 16.23,45.26 16.28,45.28 16.32,45.28 16.9,45.28 16.94,45.29 16.98,45.3 17.02,45.33 17.05,45.36 17.08,45.4 17.09,45.44 17.1,45.48 17.09,45.53 17.08,45.57 17.05,45.61 17.02,45.64 16.98,45.66 16.94,45.68 16.9,45.68 16.32,45.68 16.28,45.69 16.23,45.7 16.19,45.73 16.16,45.76 16.14,45.8 16.12,45.84 16.12,45.88 16.12,45.93 16.14,45.97 16.16,46.01 16.19,46.04 16.23,46.06 16.28,46.08 16.32,46.08 16.9,46.08 16.94,46.09 16.98,46.1 17.02,46.13 17.05,46.16 17.08,46.2 17.09,46.24 17.1,46.28 17.09,46.33 17.08,46.37 17.05,46.41 17.02,46.44 16.98,46.46 16.94,46.48 16.9,46.48 16.32,46.48 16.28,46.49 16.23,46.5 16.19,46.53 16.16,46.56 16.14,46.6 16.12,46.64 16.12,46.68 16.12,46.73 16.14,46.77 16.16,46.81 16.19,46.84 16.23,46.86 16.28,46.88 16.32,46.88 16.9,46.88 16.94,46.89 16.98,46.9 17.02,46.93 17.05,46.96 17.08,47 17.09,47.04 17.1,47.08 17.09,47.13 17.08,47.17 17.05,47.21 17.02,47.24 16.98,47.26 16.94,47.28 16.9,47.28 16.32,47.28 16.28,47.29 16.23,47.3 16.19,47.33 16.16,47.36 16.14,47.4 16.12,47.44 16.12,47.48 16.12,47.53 16.14,47.57 16.16,47.61 16.19,47.64 16.23,47.66 16.28,47.68 16.32,47.68 16.46,47.68 16.5,47.69 16.54,47.7 16.58,47.73 16.61,47.76 16.64,47.8 16.65,47.84 16.66,47.88 16.66,47.9 16.67,47.93 16.67,48.13 17.37,48.83 v1(17.37,51.03)